# KiCad board FlexKeys.kicad_pcb (continued)
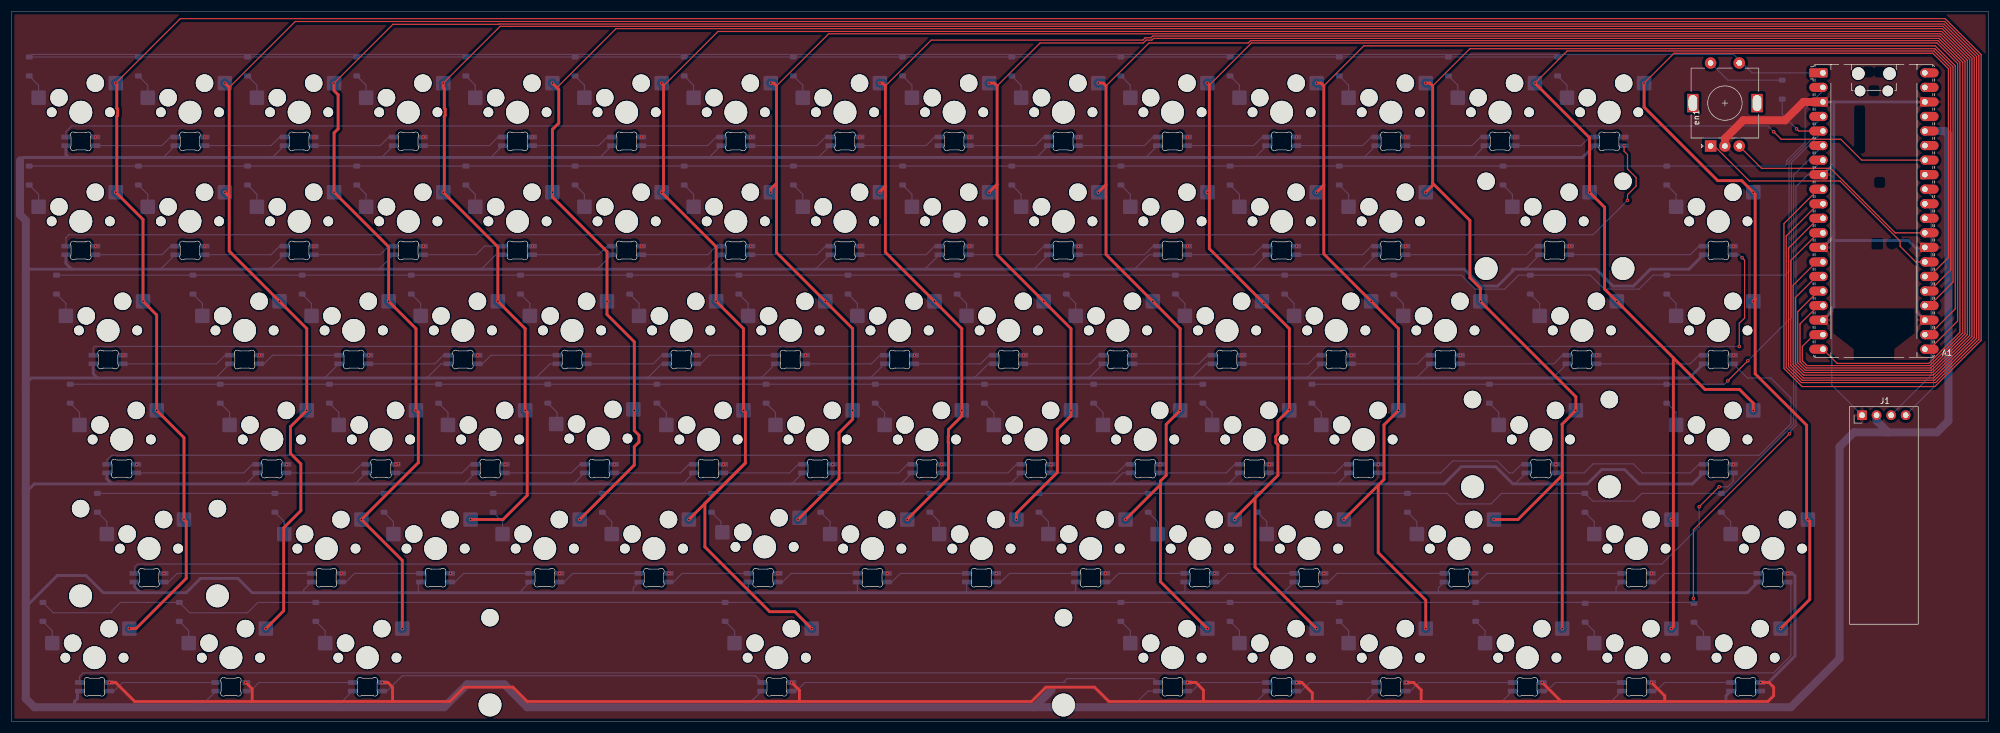
[diagram p0: board, top side]
## Routing (per net, layer and track width the routed paths; a pad name or vN(x,y) marks a point on that pad's centre or on a via; arc(x,y) is an arc through that point) (continued)
Net-(DL52-DOUT): length 14.5
  Bottom w0.2: DL52.1 154.84,43.42 156.34,44.92 DL53.3
Net-(DL53-DOUT): length 14.5
  Bottom w0.2: DL53.1 173.89,43.42 175.39,44.92 DL54.3
Net-(DL54-DOUT): length 14.5
  Bottom w0.2: DL54.1 192.94,43.42 194.44,44.92 DL55.3
Net-(DL55-DOUT): length 14.5
  Bottom w0.2: DL55.1 211.99,43.42 213.49,44.92 DL56.3
Net-(DL56-DOUT): length 14.5
  Bottom w0.2: DL56.1 231.04,43.42 232.54,44.92 DL57.3
Net-(DL57-DOUT): length 28.1
  Bottom w0.2: DL57.1 249.42,43.42 251.5,45.5 259.25,45.5 261.33,43.42 261.99,43.42 263.49,44.92 DL58.3
Net-(DL58-DOUT): length 27.7
  Bottom w0.2: DL58.1 274.5,43.42 274.5,43.5 276,45 283,45 284.58,43.42 292.95,43.42 294.45,44.92 DL59.3
Net-(DL59-DOUT): length 289.8
  Top w0.2: v1(294.5,37.5) v1(298,41)
  Bottom w0.2: v1(294.5,37.5) 294.5,34 288,27.5 22,27.5 21.5,27 21.5,25.96 DL60.3 ; v1(298,41) 299.5,41 300.45,41.95 DL59.1
Net-(DL60-DOUT): length 26.4
  Bottom w0.2: DL61.3 28.91,25.87 27.41,24.37 DL60.1
Net-(DL61-DOUT): length 14.5
  Bottom w0.2: DL62.3 59.86,25.87 58.36,24.37 DL61.1
Net-(DL62-DOUT): length 14.5
  Bottom w0.2: DL63.3 78.91,25.87 77.41,24.37 DL62.1
Net-(DL63-DOUT): length 14.5
  Bottom w0.2: DL64.3 97.96,25.87 96.46,24.37 DL63.1
Net-(DL64-DOUT): length 14.5
  Bottom w0.2: DL64.1 115.51,24.37 117.01,25.87 DL65.3
Net-(DL65-DOUT): length 14.5
  Bottom w0.2: DL65.1 134.56,24.37 136.06,25.87 DL66.3
Net-(DL66-DOUT): length 14.5
  Bottom w0.2: DL67.3 155.11,25.87 153.61,24.37 DL66.1
Net-(DL67-DOUT): length 14.5
  Bottom w0.2: DL67.1 172.66,24.37 174.16,25.87 DL68.3
Net-(DL68-DOUT): length 14.5
  Bottom w0.2: DL69.3 193.21,25.87 191.71,24.37 DL68.1
Net-(DL69-DOUT): length 14.5
  Bottom w0.2: DL69.1 210.76,24.37 212.26,25.87 DL70.3
Net-(DL70-DOUT): length 21.6
  Bottom w0.2: DL70.1 229.81,24.37 231.31,25.87 DL71.3
Net-(DL71-DOUT): length 26.4
  Bottom w0.2: DL72.3 257.51,25.87 256.01,24.37 DL71.1
Net-(DL72-DOUT): length 19.2
  Bottom w0.2: DL73.3 288.46,25.87 286.96,24.37 DL72.1
Net-(DL73-DOUT): length 314.3
  Bottom w0.2: DL73.1 310.5,23.84 310.5,11.5 307.5,8.5 12.5,8.5 11.88,7.88 DL74.3
Net-(DL74-DOUT): length 19.2
  Bottom w0.2: 35.69,6.82 19.38,6.82 17.88,5.32 DL74.1
Net-(DL75-DOUT): length 19.2
  Bottom w0.2: DL76.3 43.19,6.82 41.69,5.32 40.89,5.32
Net-(DL76-DOUT): length 67.8
  Bottom w0.2: DL76.1 65.51,5.32 68.19,8 129.76,8 DL77.3
Net-(DL77-DOUT): length 65.5
  Bottom w0.2: 183.5,6.82 138.44,6.82 136.94,5.32 DL77.1 ; 183.5,6.82 184,6.82 ; 183.5,6.82 184.18,7.5 199.32,7.5 DL78.3
Net-(DL78-DOUT): length 14.5
  Bottom w0.2: DL79.3 207.5,6.82 206,5.32 DL78.1
Net-(DL79-DOUT): length 14.5
  Bottom w0.2: DL80.3 226.55,6.82 225.05,5.32 DL79.1
Net-(DL80-DOUT): length 19.2
  Bottom w0.2: DL80.1 244.1,5.32 245.6,6.82 DL81.3
Net-(DL81-DOUT): length 14.5
  Bottom w0.2: DL81.1 267.91,5.32 269.41,6.82 DL82.3
Net-(DL82-DOUT): length 14.5
  Bottom w0.2: DL82.1 286.96,5.32 288.46,6.82 DL83.3

## Copper pours and planes (outline as drawn; the poured copper is in the pictures)
+3V3 on Bottom: -1,124 0,2 0,0 345,0 345,4 346,124
GND on Top: -1.5,124 0,2.5 0,0 345,0 345,4 345.5,124
GND on Bottom: 314,114.5 335.5,114.5 335.5,64 334,62.5 314,62.5 313,63.5 313,113.5
